# Altium PCB Hvamp_32.PCBDOC (part 1 of 6)
Units mm, origin at the board's own origin, x right, y up, seen from the top; angles counter-clockwise.
Board outline 125.1 x 100.1 mm, 6 copper layers (L1, L2, L3, L4, P5, L6), stack 1.514 mm thick; 578 components, 364 nets, 1709 pads, 908 vias.
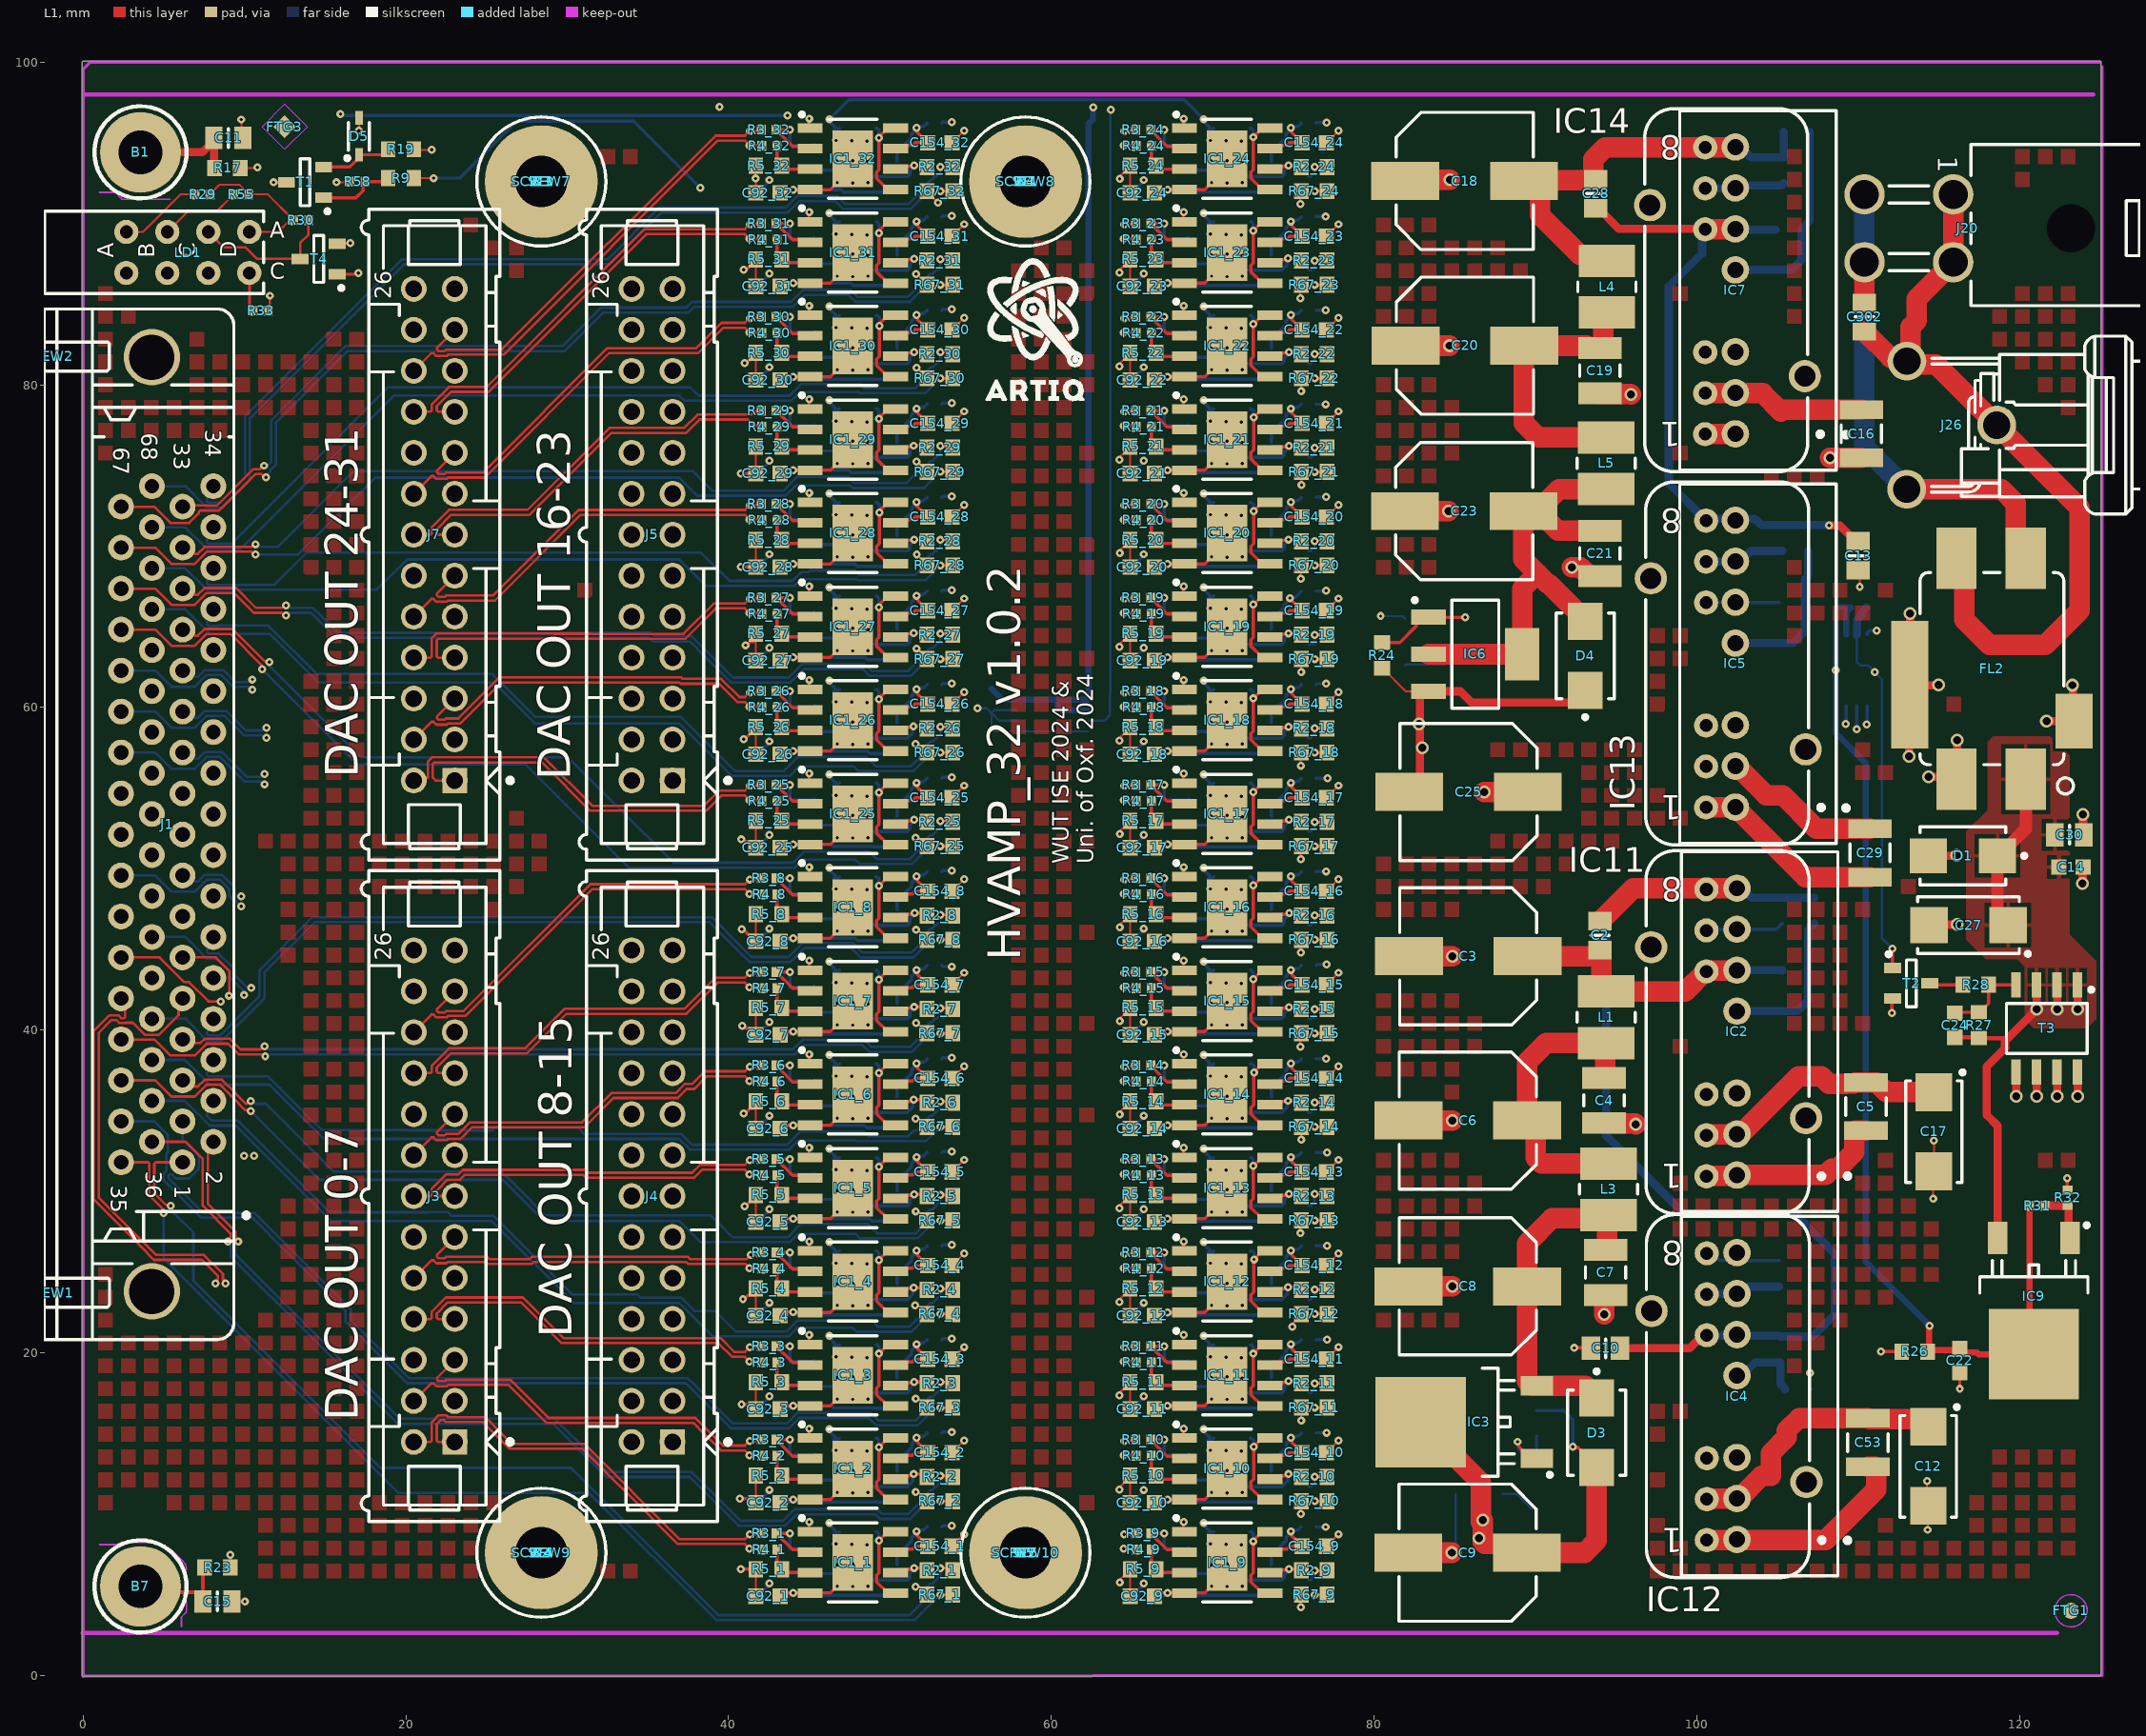
[diagram p0: L1 view]
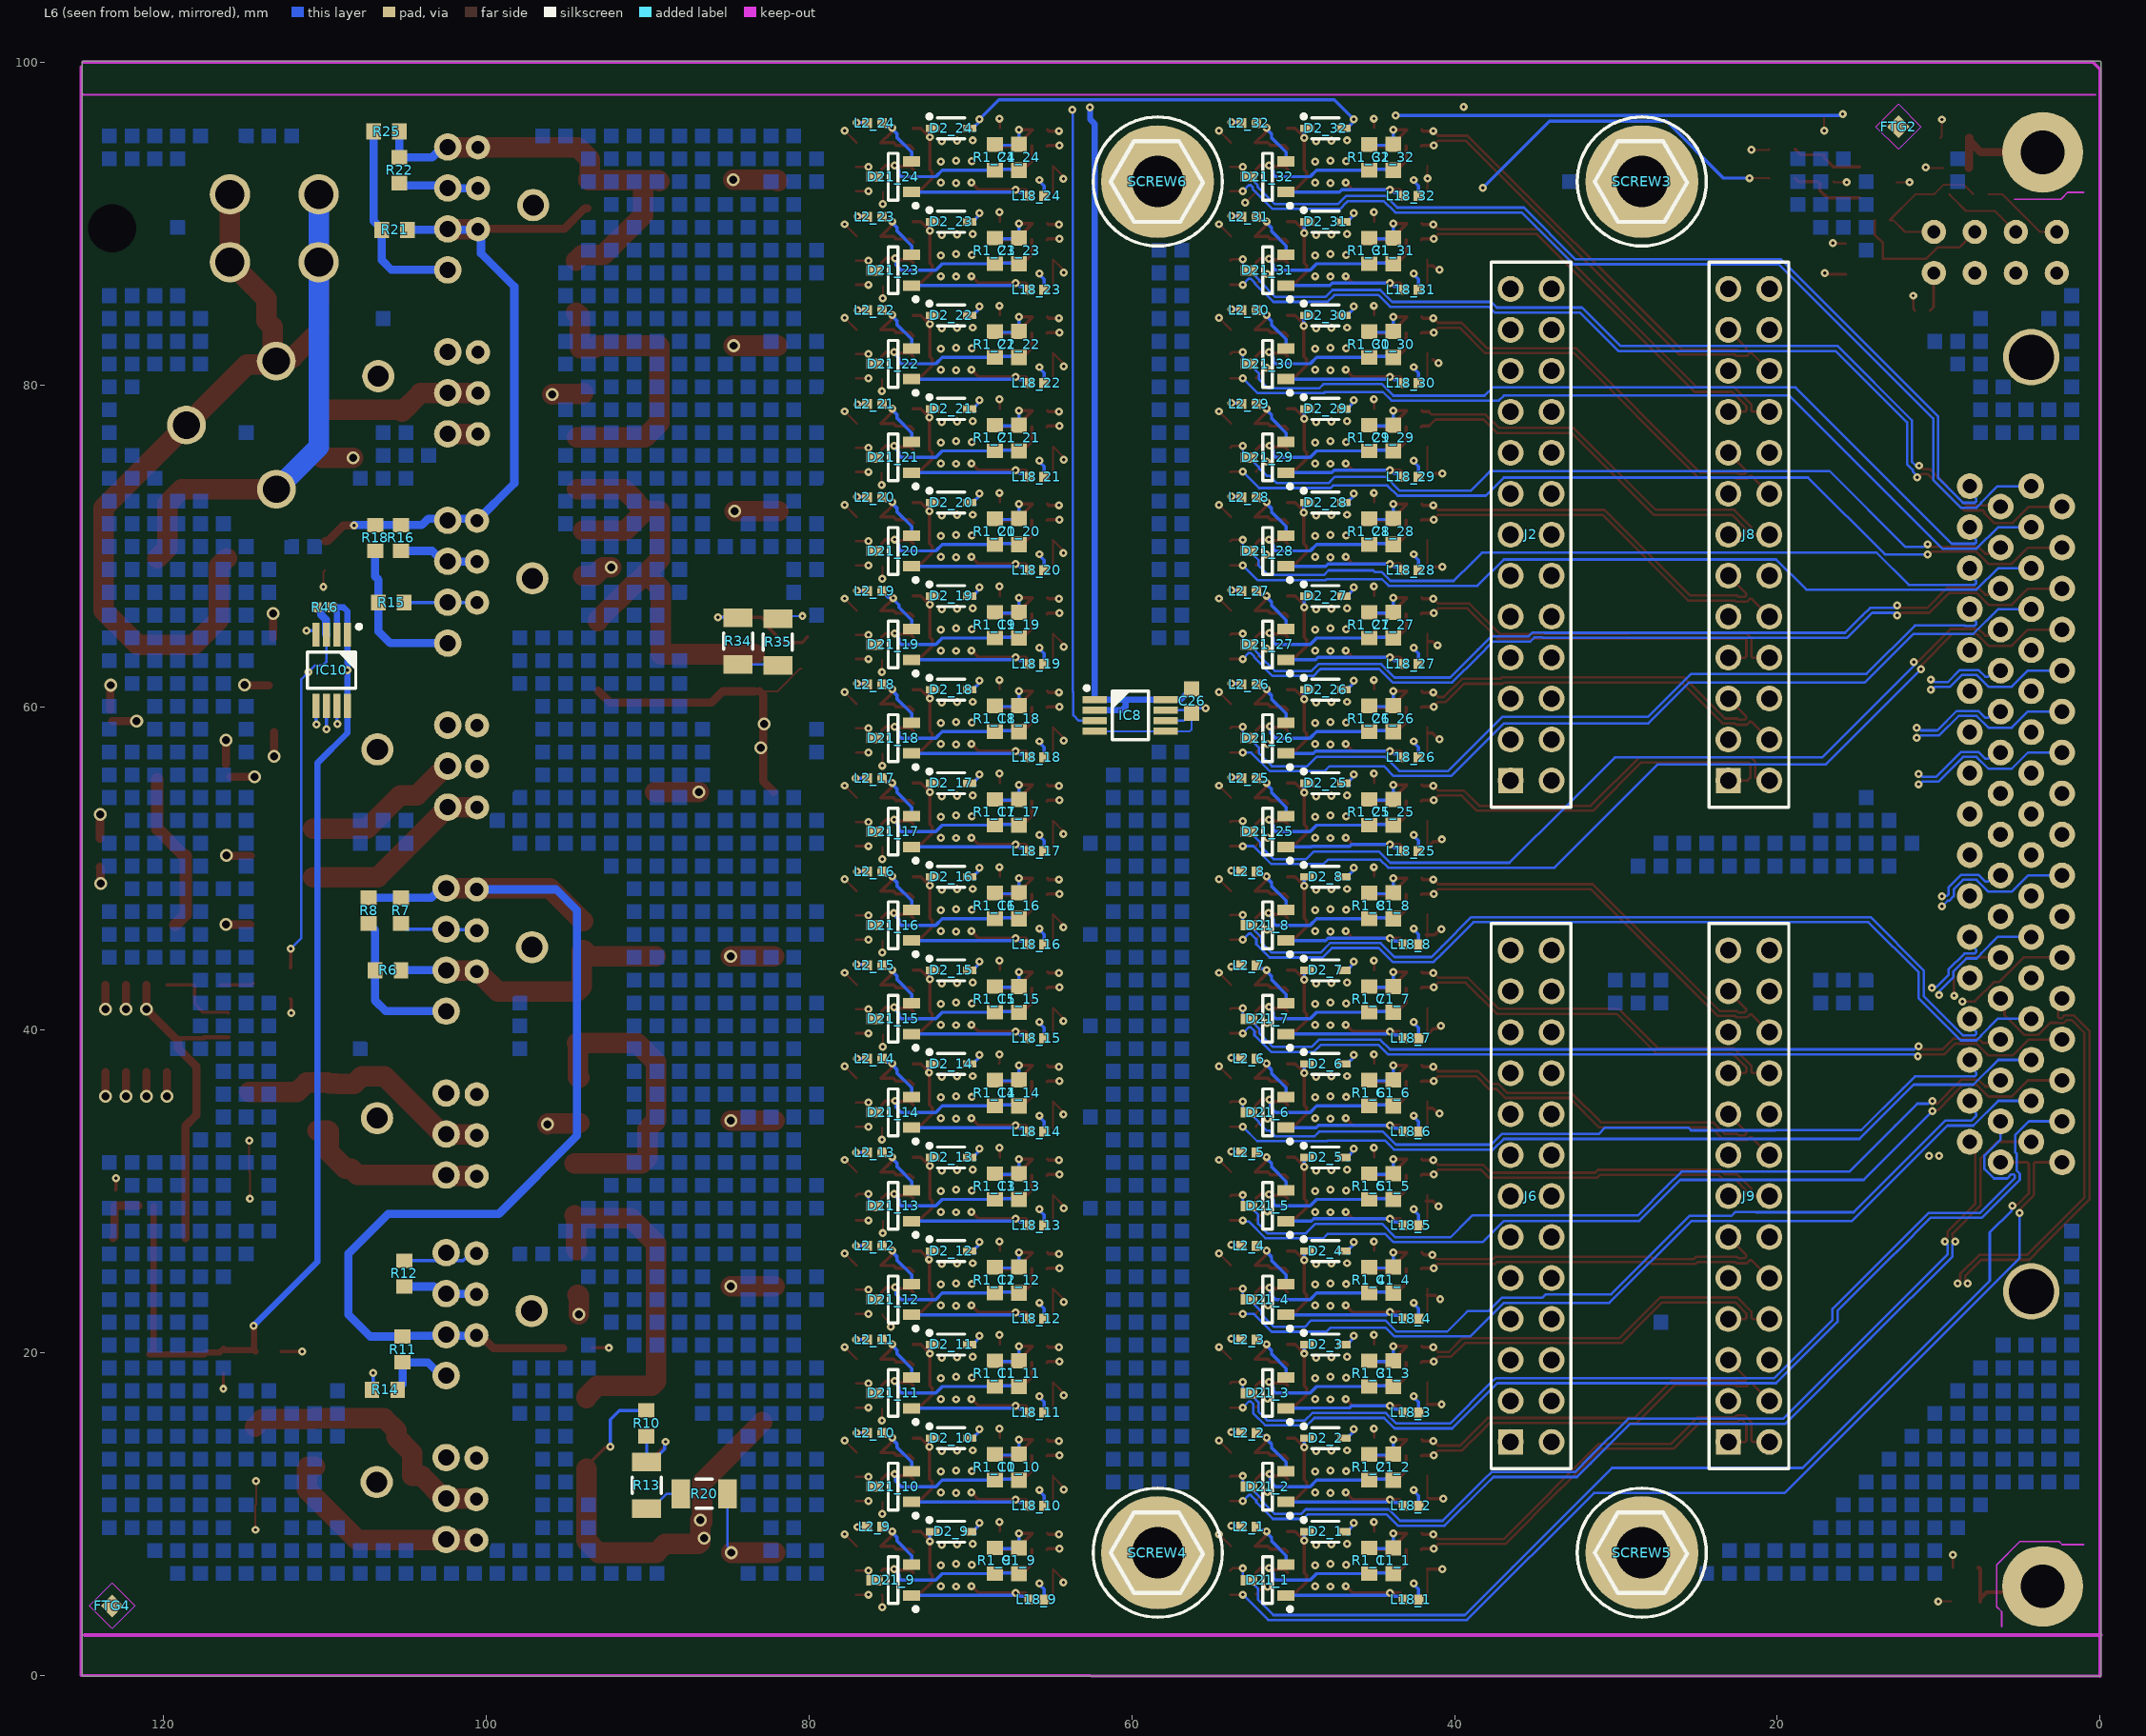
[diagram p1: L6 view, seen from below]
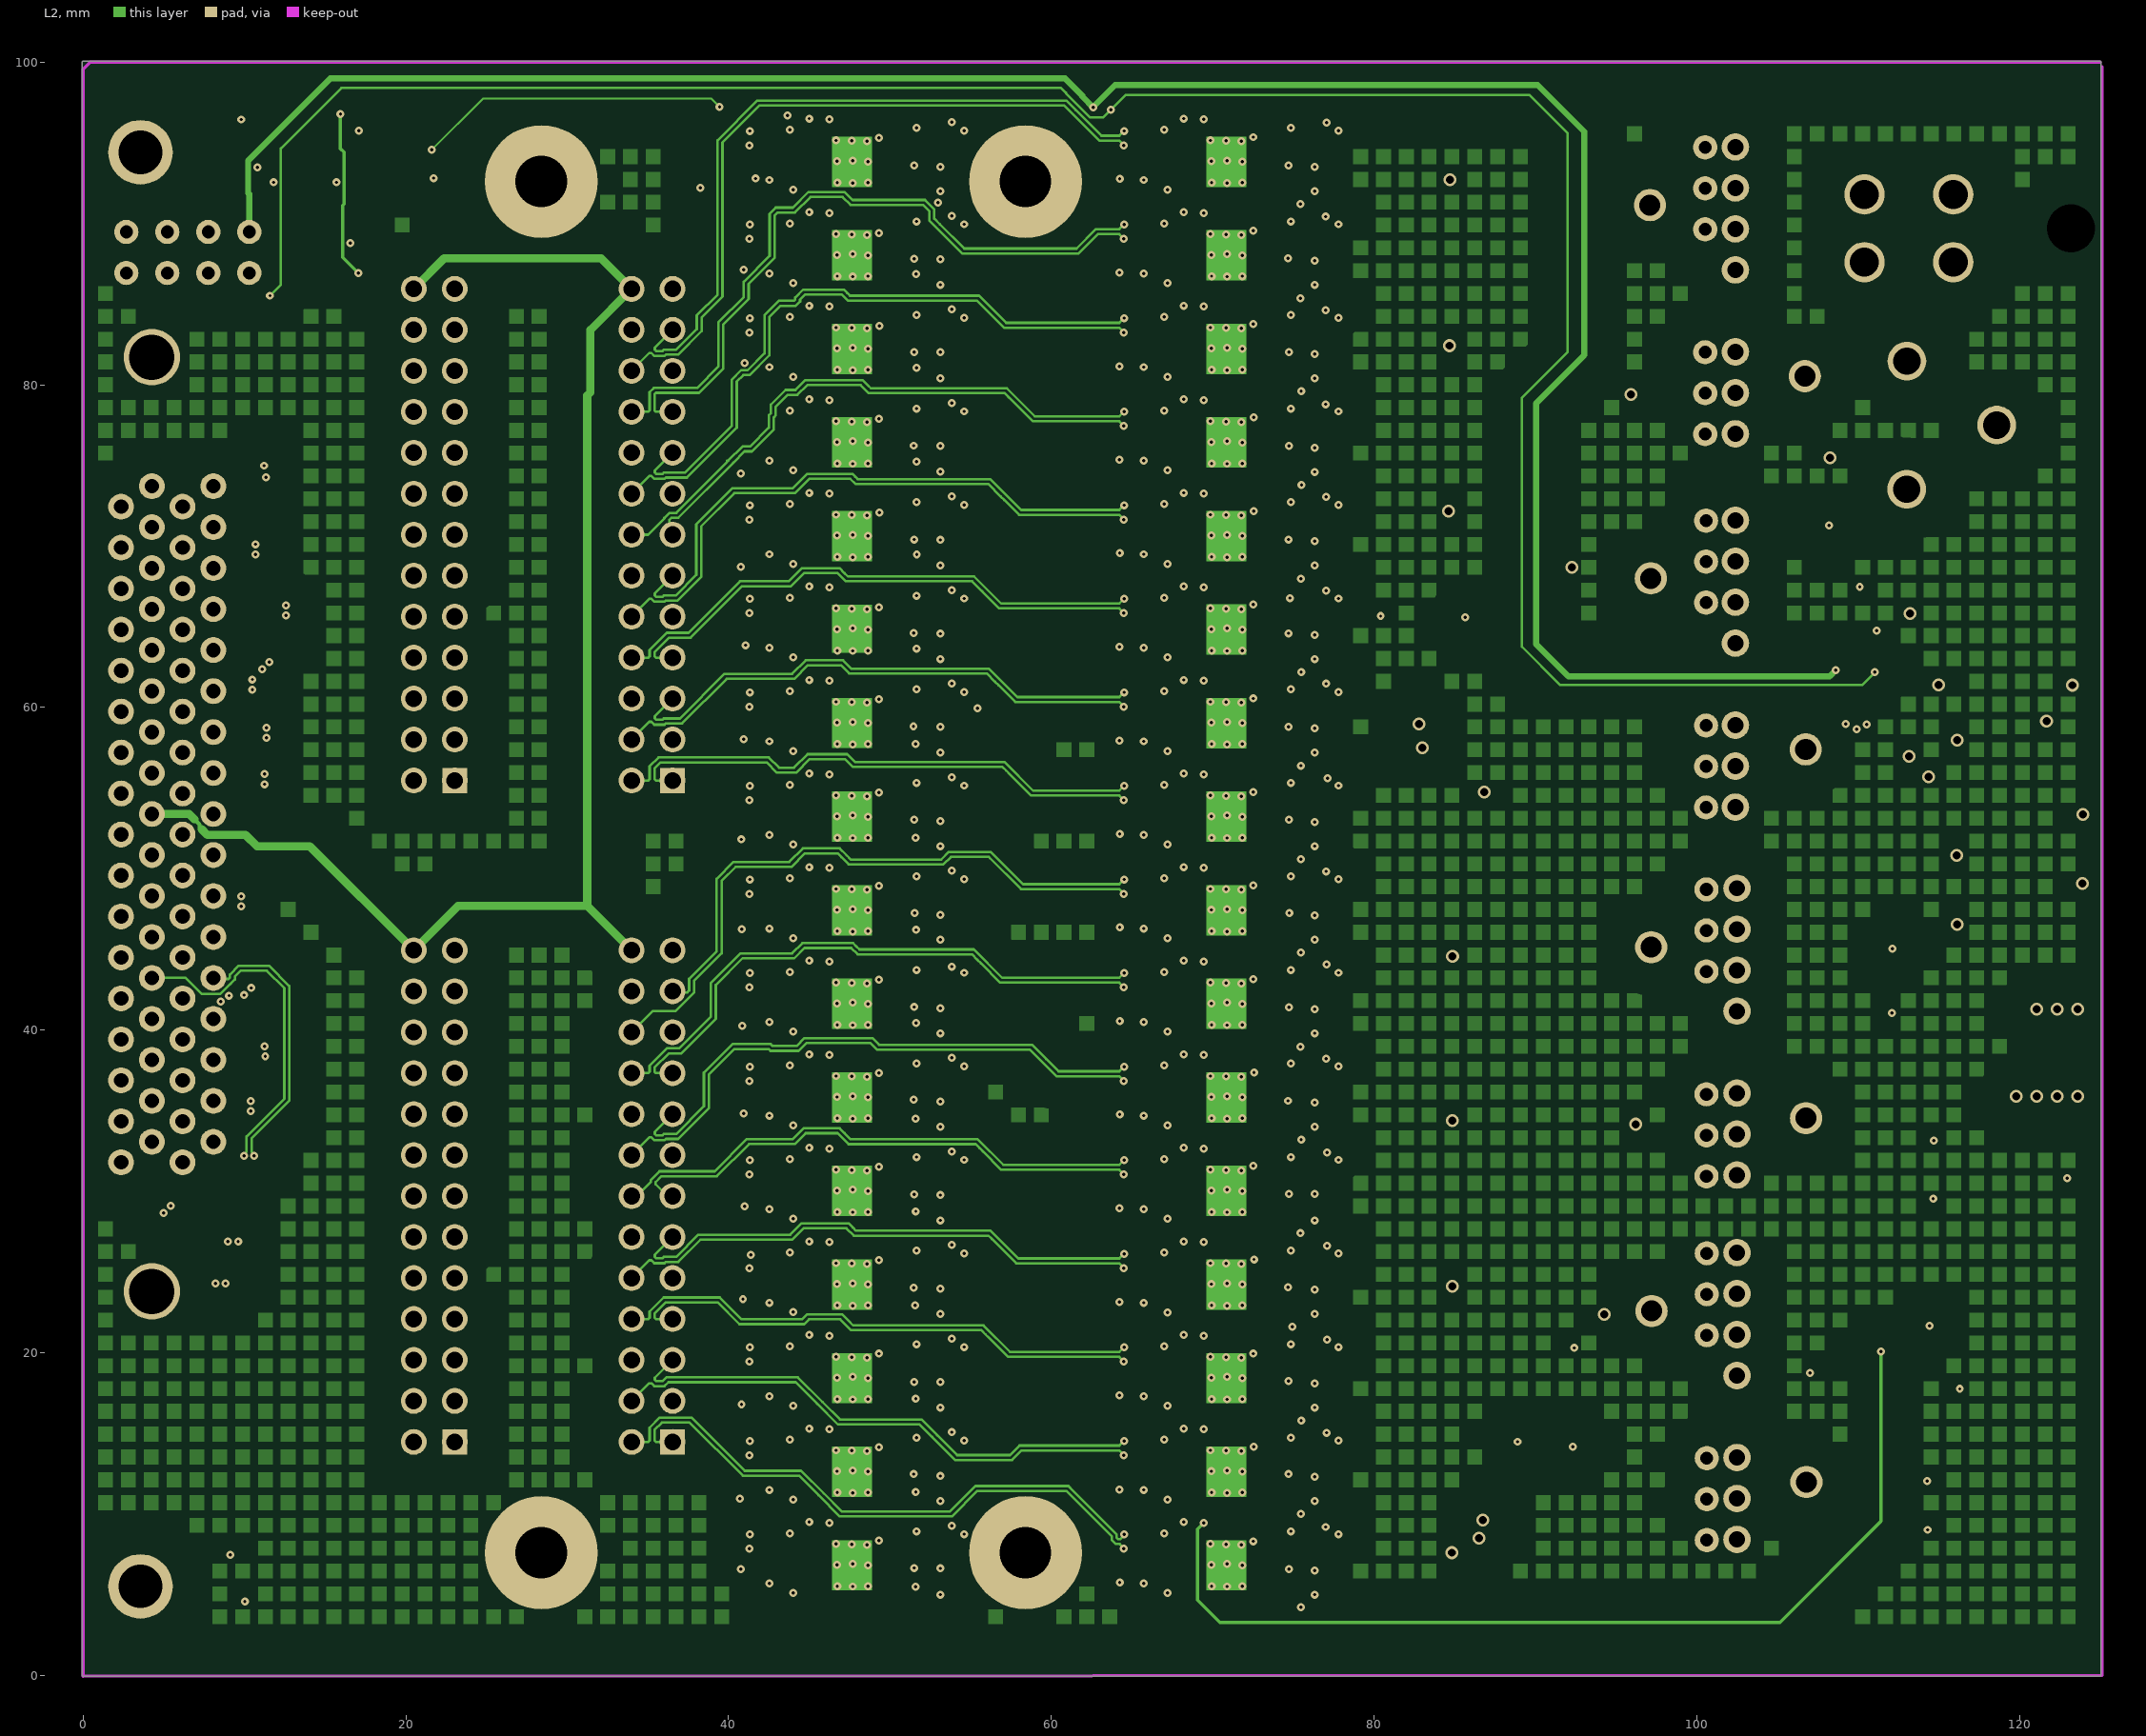
[diagram p2: L2]
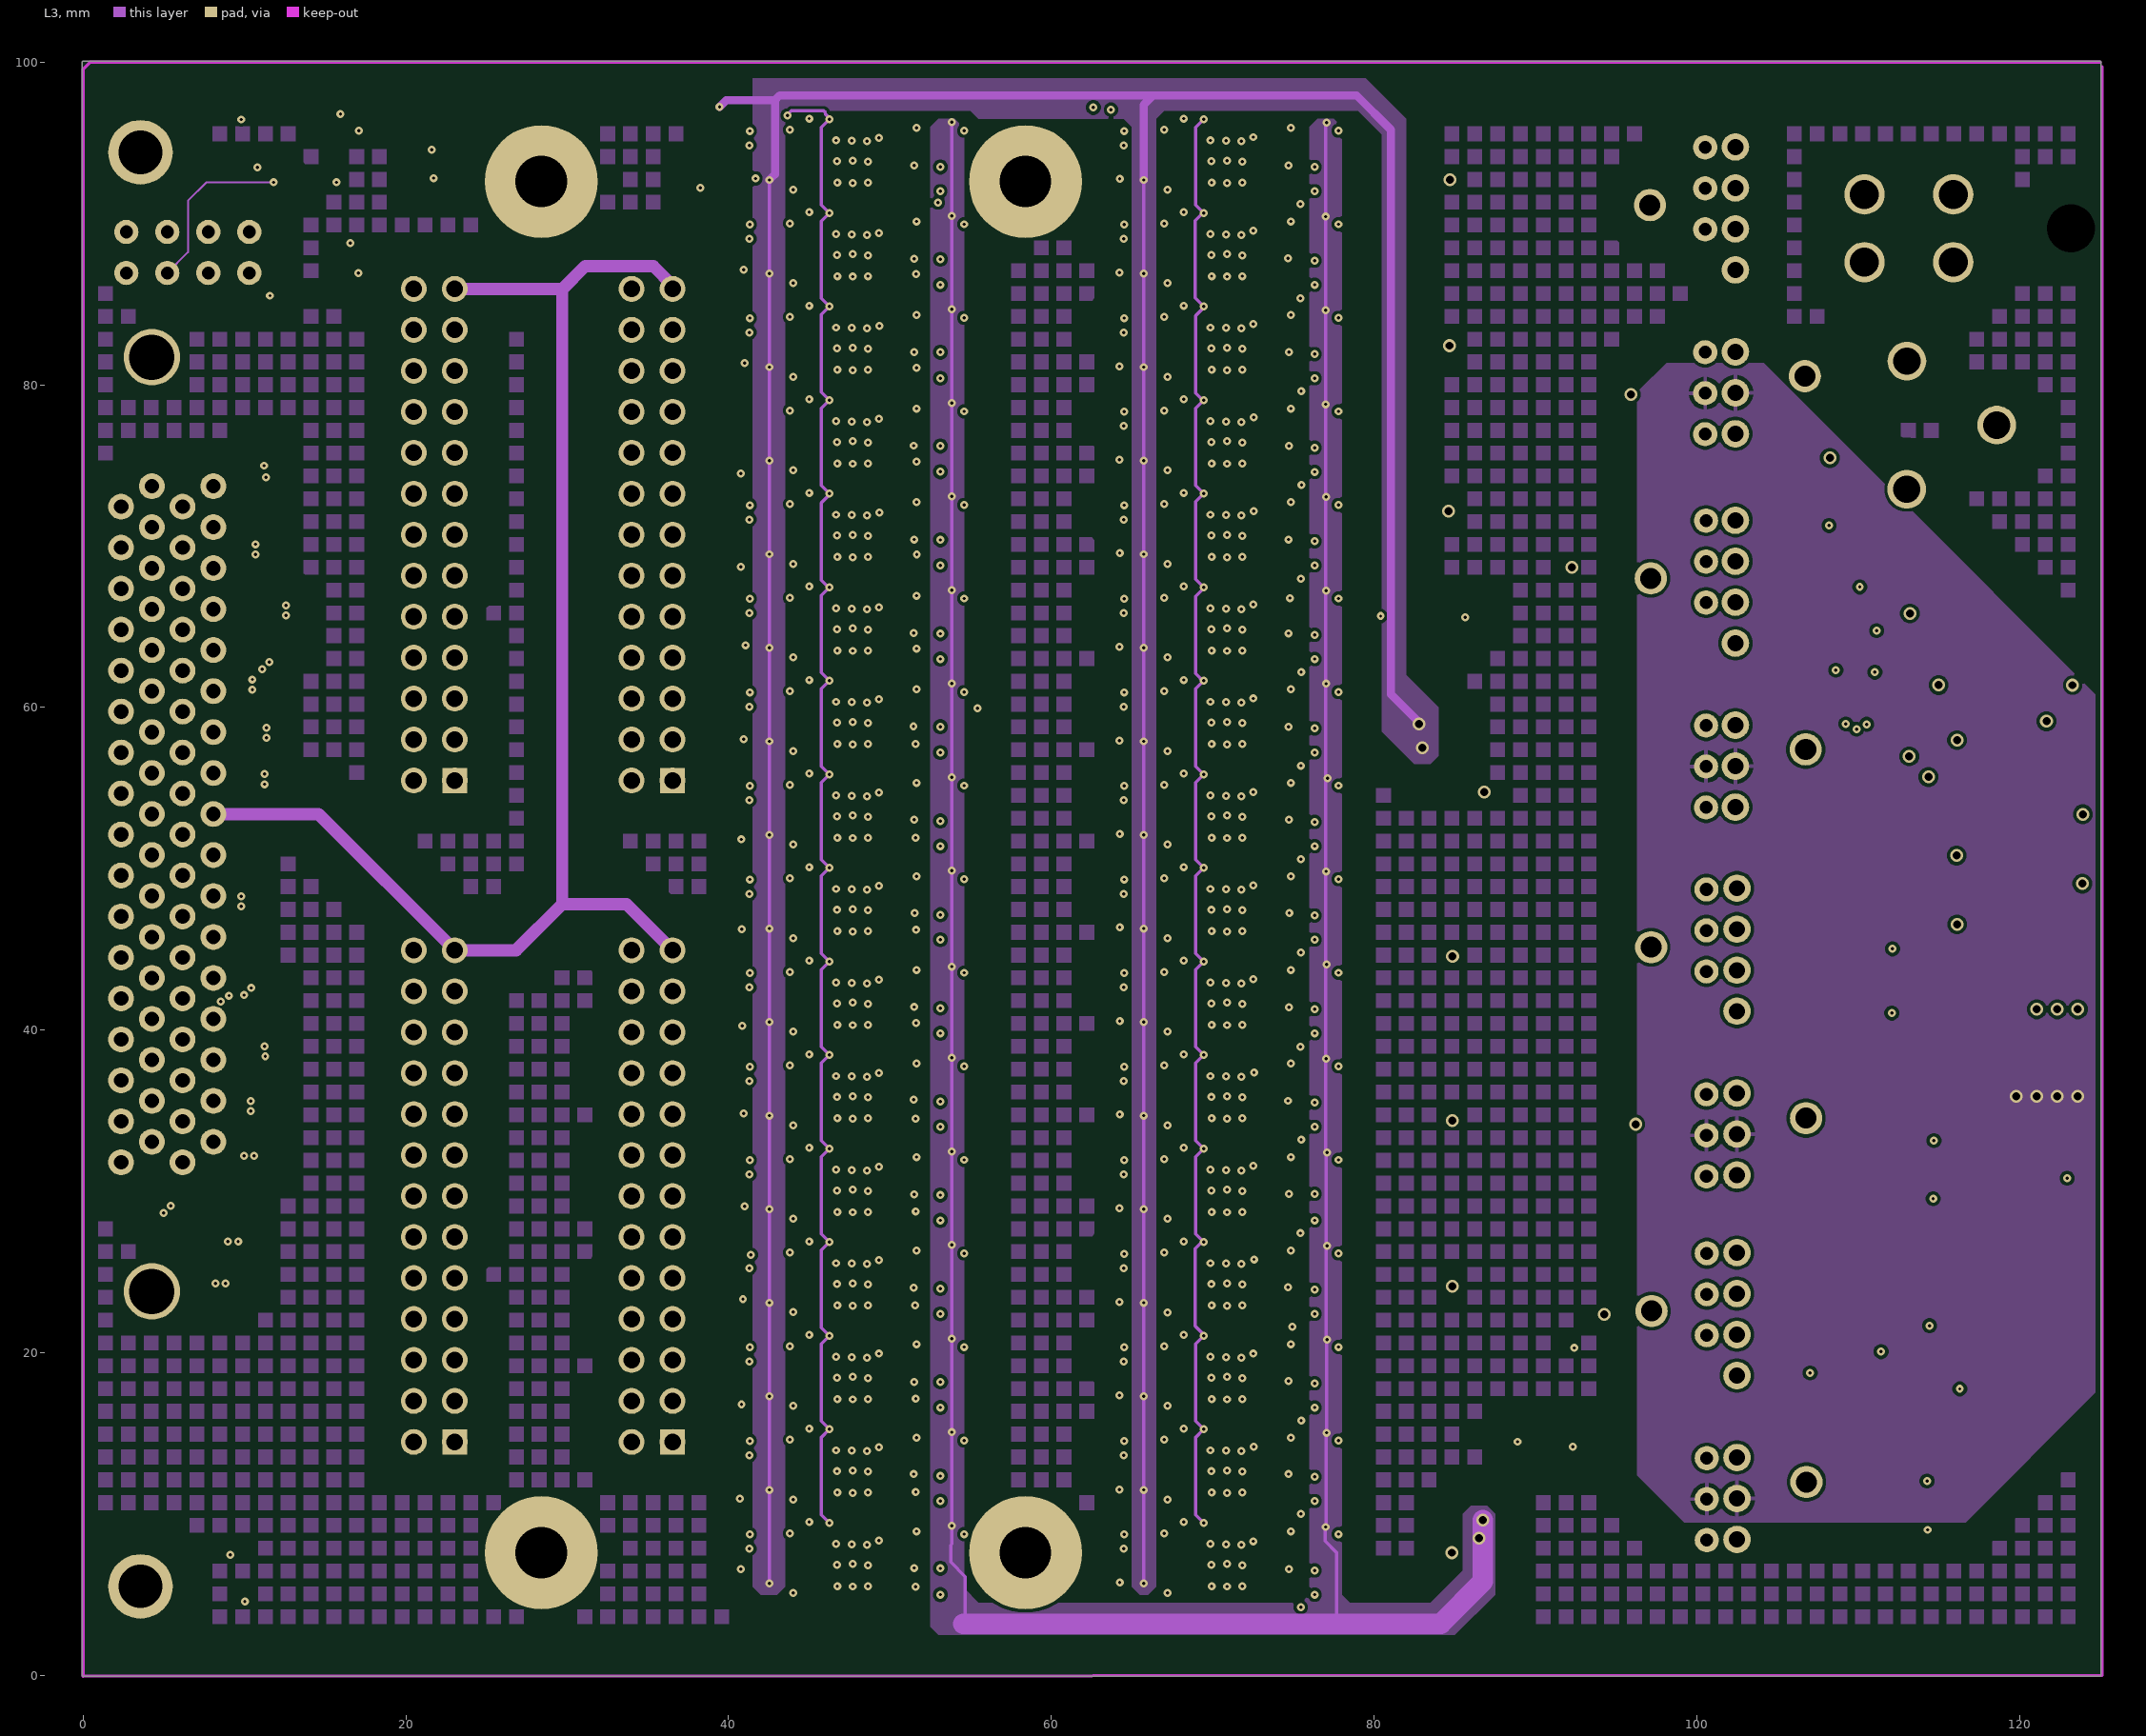
[diagram p3: L3]